# Allegro board RK_EVB7_RK3588_LP4XD200P232SD8_V11_20230111YWQ.brd (continued)
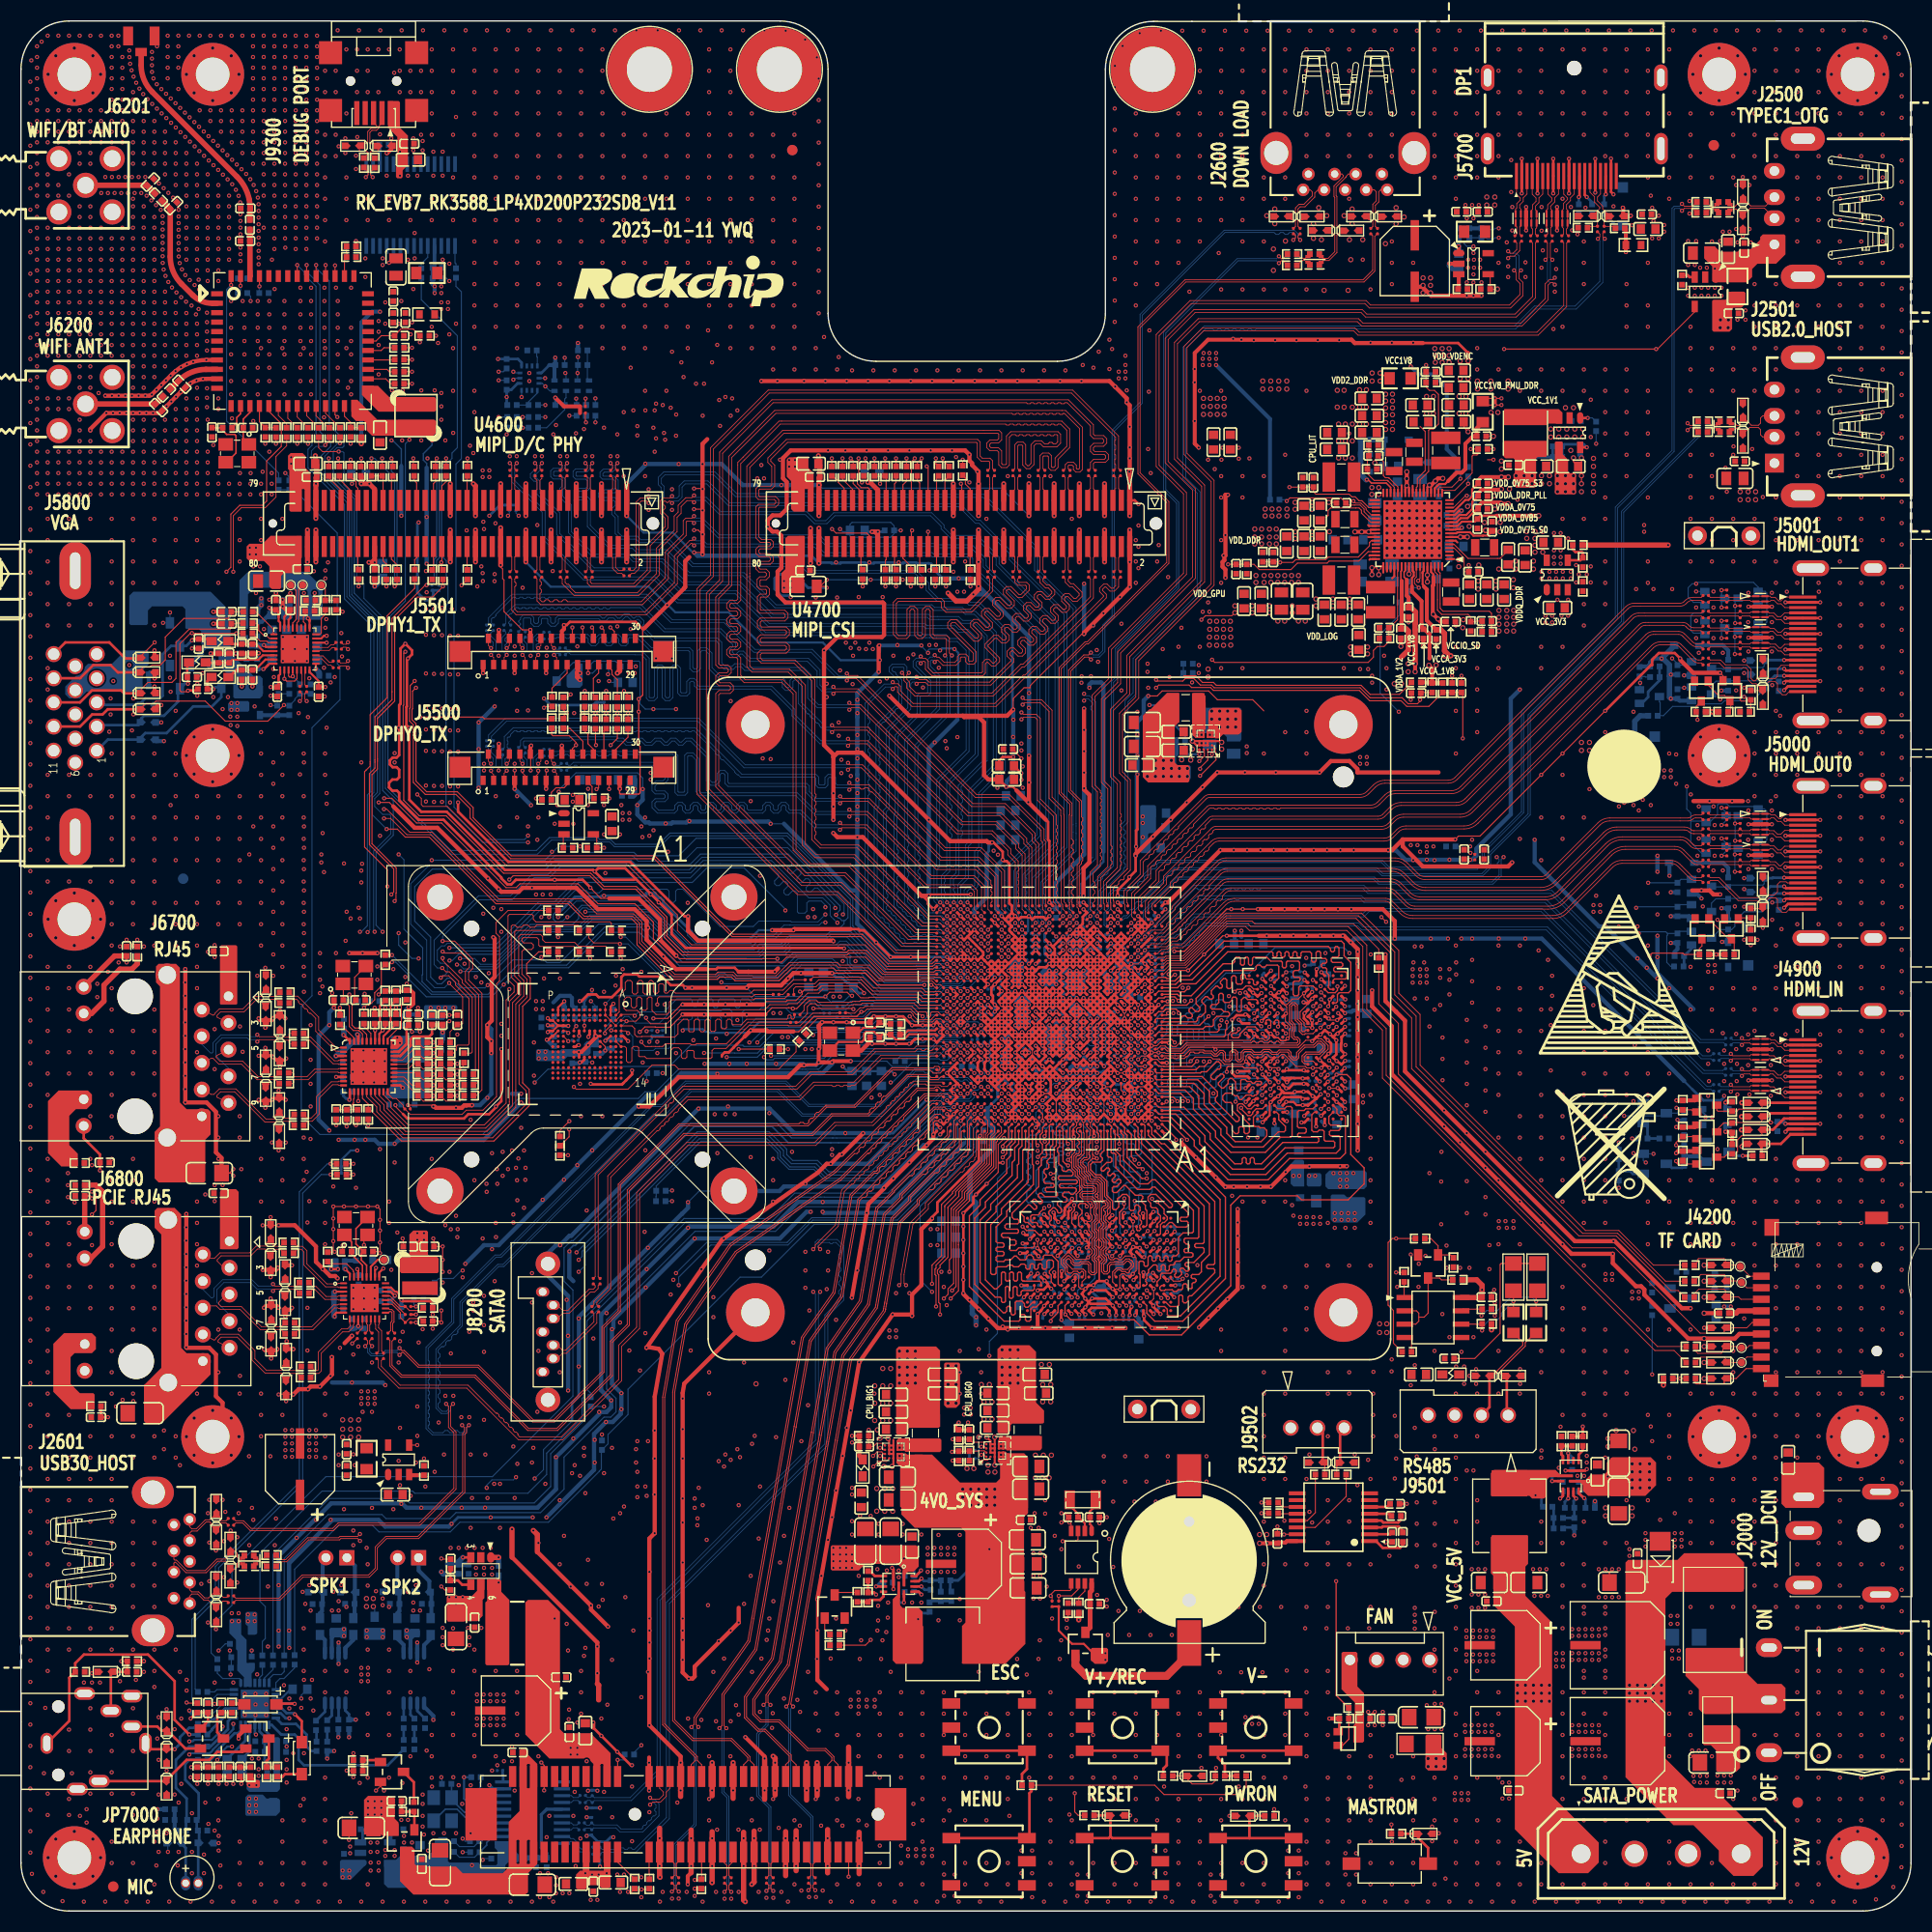
[diagram p0: board, top side]
## Routing (per net, layer and track width the routed paths; a pad name or vN(x,y) marks a point on that pad's centre or on a via; arc(x,y) is an arc through that point) (continued)
VDD_NPU_S0: length 74.2
  TOP w0.203: U2303.A4 112.22,110.61 v1(112.22,110.17)
  TOP w0.254: U1000.AC22 v1(95.34,88.25) ; U1000.AC22 v1(95.34,88.9) U1000.AD22 ; U1000.AC22 v1(94.69,88.9) ; U1000.AC22 v1(94.69,88.25) ; v1(95.34,88.25) U1000.AB22 v1(94.69,88.25) ; v1(95.34,88.25) 95.67,87.93 U1000.AB21 ; v1(94.69,88.25) U1000.AB23 ; v1(94.69,88.25) U1000.AC23 C1073.1 v1(94.69,88.9) ; v1(94.69,89.55) 94.37,89.88 U1000.AE23 ; v1(94.69,89.55) 94.37,89.23 U1000.AD23 ; v1(94.69,89.55) U1000.AD22 ; v1(94.69,89.55) 95.02,89.88 U1000.AE22 ; U1000.AD23 v1(94.04,89.55) U1000.AE23 ; U1000.AD23 v1(94.69,88.9) ; v1(94.69,88.9) U1000.AD22 ; U1000.AD22 v1(95.34,89.55) U1000.AE22 ; U1000.AE22 v1(95.34,90.2) ; U1000.AE22 v1(94.69,90.2) U1000.AE23
  L5-POWER2 w0.089: v1(94.04,89.55) 93.72,89.23 88.06,89.23 87.97,89.32 87.91,89.32
  L5-POWER2 w0.102: 87.91,89.32 87.27,89.32 84.23,92.37 84.23,109.13 86.89,111.8 88.29,111.8 88.67,111.42 94.89,111.42 95.04,111.57 95.51,111.57 95.66,111.42 96.42,111.42 99.09,114.09 101.63,114.09 102.39,114.85 v1(107.47,114.85)
  BOTTOM w0.203: C1062.1 95.21,106.16 ; v1(107.47,114.85) 107.48,114.84 107.99,114.84 110.86,111.96 C2323.2 R2306.2 111.1,110.17 v1(112.22,110.17)
  BOTTOM w0.508: C2323.1 R2306.1
  vias: v1(92.63,100.98) v1(93.04,100.6) v1(95.4,106.97) v2(107.28,108.05) v2(108.04,109.58) v2(108.04,108.82) v2(108.04,108.05) v2(108.8,109.58) v2(108.8,108.82) v2(108.8,108.05) v2(109.56,109.58) v2(109.56,108.82) v2(109.56,108.05) v2(110.32,108.82) v2(110.32,108.05) v2(111.09,108.82) v2(111.09,108.05)
VDD_VDENC_S0: length 124.1
  TOP w0.102: U2200.24 133.24,136.29 134.06,137.11 134.06,141.03 134.17,141.13 134.52,141.13 135,141.62 135,144.44 134.62,144.82 134.14,144.82 133.81,145.14 R2209.2 C2239.2 v1(133.81,147.23)
  TOP w0.254: v1(100.54,85) 100.87,85.33 U1000.V13 ; v1(100.54,85) U1000.U14 100.22,84.68 v1(100.54,84.35) U1000.T14 100.22,84.03 v1(100.54,83.7) U1000.R14 100.22,83.38 v1(100.54,83.05) ; v1(100.54,85) U1000.V14 ; U1000.V13 v1(100.54,85.65) ; U1000.V13 v1(101.19,85.65) ; v1(101.19,85.65) U1000.V12 ; v1(101.19,85.65) U1000.W13 ; U1000.W13 100.87,85.98 v1(100.54,85.65) ; U1000.W13 v1(100.54,86.3) 100.22,85.98 U1000.W14 ; v1(100.54,85.65) U1000.W14 ; v1(100.54,85.65) U1000.V14 ; U1000.V14 99.89,85.65 100.22,85.98 U1000.W14
  L4-GND2 w0.089: v1(100.54,83.05) 100.87,82.73 102.63,82.73 102.82,82.92 102.82,84.59 102.91,84.68 112.67,84.68 112.86,84.5 113.53,84.5 114.25,85.22
  L4-GND2 w0.102: 114.25,85.22 114.45,85.42 114.45,88.31 118.52,92.37 118.77,92.37 119.15,92.75 119.15,93 120.74,94.59 120.74,95.61 120.42,95.93 120.42,100.5 120.17,100.75 120.17,101.26 120.42,101.51 120.42,104.05 124.29,107.93 124.29,108.56 125.5,109.77 125.88,109.77 133.66,117.54 133.66,118.94 134.14,119.42 134.14,122.85 134.01,122.98 134.01,125.9 134.39,126.28 134.39,127.68 133.63,128.44 130.07,128.44 129.57,128.95 129.57,134.15 130.07,134.66 130.07,135.8 129.49,136.39 129.49,144.85 129.59,144.95 131.53,144.95 v1(133.81,147.23)
  BOTTOM w0.089: v1(101.19,85.65) 100.99,85.85 100.99,86.02
  BOTTOM w0.254: v1(100.54,86.3) v1(100.54,85.65) v1(100.54,85) ; v1(100.54,85) C1048.1 100.22,84.68 v1(100.54,84.35) 100.55,84.35 ; v1(100.54,85) C1049.1 100.88,84.68 100.55,84.35 ; v1(100.54,83.05) 100.87,83.38 C1050.1 100.55,83.7 v1(100.54,83.7) 100.87,84.03 C1052.1 100.55,84.35
  BOTTOM w0.381: 115.6,92.69 v1(115.6,93.36) ; v1(116.23,93.36) 116.23,92.76
  vias: v2(134.65,148.8) v2(134.69,148.14) v2(134.69,147.49) v2(135.35,148.8) v2(135.35,148.14) v2(135.35,147.49) v2(136.01,148.8) v2(136.01,148.14) v2(136.01,147.49)
VDDA_0V85_S0: length 18.8
  TOP w0.089: 100.87,92.48 U1000.AJ13 ; 100.22,92.48 U1000.AJ14
  TOP w0.203: C2269.1 138.46,132.32 137.23,132.32 136.83,131.92 136.7,131.92 136.69,131.91 U2200.10
  TOP w0.254: 140.53,132.88 139.02,132.88 C2269.1 ; v1(100.54,92.15) U1000.AH14 v1(99.89,92.15) 100.22,92.48 v1(100.54,92.15) ; v1(100.54,92.15) 100.87,92.48 v1(101.19,92.15) U1000.AH13 v1(100.54,92.15) ; U1000.M28 v1(91.44,81.1) U1000.L28 91.12,80.78 U1000.K28 v1(91.44,79.8)
  TOP w0.381: v2(144.55,132.88) v2(143.79,132.88) 140.53,132.88
  L3-POWER1 w0.104: v2(143.79,132.88) v2(144.55,132.88)
  L3-POWER1 w0.381: v1(91.44,81.1) v1(91.44,79.8)
  BOTTOM w0.254: v1(91.44,81.1) 91.72,80.83 C1818.1 ; C1810.1 90.81,80.43 v1(91.44,79.8) 91.44,79.8 C1806.1
  vias: v1(82.7,55.29) v1(82.7,54.65) v1(83.34,55.29) v1(83.34,54.65) v1(112.55,123.74) v1(113.18,123.74) v1(140.74,65.7) v1(140.74,65.06) v1(141.38,65.7) v1(141.5,65.06) v1(142.14,65.7) v1(142.14,65.06)
VDDA_1V2_S0: length 11.6
  TOP w0.152: 131.5,126.67 131.42,126.75 131.42,127.59 131.49,127.66 U2200.57
  TOP w0.254: U1000.AH20 v1(96.64,92.15) U1000.AH19
  TOP w0.381: 131.5,126.67 131.5,124.72 131.49,124.71 131.49,122.81 131.47,122.79 131.47,122.16 C2255.1
  TOP w0.508: 131.47,119.42 132.13,120.08 132.13,121.9 131.93,122.11 C2255.1
  L3-POWER1 w0.254: v1(96.64,92.15) 96.64,92.23
  BOTTOM w0.254: C1603.1 96.2,92.48 96.51,92.17 96.6,92.17 96.62,92.15 v1(96.64,92.15) 96.77,92.15 C1611.1
  vias: v1(95.28,111.19) v1(95.28,110.53) v2(130.78,116.88) v2(131.47,116.9)
VDDQ_DDR: length 51.8
  TOP w0.254: U3801.W5 v1(97.43,63.15) ; v1(126.13,86.82) 126.07,86.82 U3800.D12 ; U3801.AA5 v1(96.9,62.37) ; U3801.D1 107.55,66.29 v1(107.85,66.59) ; U3800.W8 122.12,77.38 v1(122.07,77.33) 121.89,77.51 120.3,77.51 U3800.W5 v1(119.84,77.05) ; v1(118.17,75.65) 118.17,75.68 U3800.AA3 ; U3801.B5 v1(109.17,63.1) ; U3800.D8 v1(122.96,87.52) ; U3801.B8 v1(109.17,60.05) ; U3801.D12 v1(107.87,56.85) ; U3800.B8 122.49,88.43 122.25,88.67 v1(122.23,88.67) ; U3801.D8 v1(107.87,60.05) ; U3800.B5 v1(120.55,88.05) ; U3801.W12 v1(97.47,56.85) ; v1(118.21,78.35) 118.24,78.35 U3800.U3 ; U3801.AA10 v1(96.15,58.43) ; U3801.U3 99.1,64.4 v1(98.81,64.69) ; U3801.F10 v1(105.94,58.47) ; v1(124.51,85.51) 124.49,85.51 U3800.F10 ; v1(118.21,85.47) U3800.F3 ; U3801.B10 109.22,58.4 v1(109.22,58.38) ; U3801.AA3 96.12,64 v1(96.09,64) ; U3800.W12 v1(126.09,77.05) ; U3800.B10 123.87,88.73 v1(123.84,88.73) ; v1(98.83,58.46) 99.1,58.73 U3801.U10 ; v1(106.58,64.05) U3801.F3 ; U3801.W8 v1(97.5,60.68) ; U3801.B3 v1(109.14,64.67) ; U3801.AA8 v1(96.83,60.71) ; U3800.AA10 v1(123.82,75.73) ; U3800.W1 v1(116.64,77.05) ; U3800.D1 v1(116.62,87.48) ; U3800.AA5 v1(120.57,76.08) ; v1(124.47,78.98) U3800.U10 ; U3801.D5 v1(107.87,63.1) ; v1(97.44,66.34) U3801.W1 ; U3800.AA8 v1(122.21,75.72) ; U3800.D5 v1(120.49,86.8) ; U3800.B3 v1(118.22,88.77)
  BOTTOM w0.254: v1(122.07,77.33) 122.12,77.38 122.56,77.38 C3836.1 ; C3834.1 116.74,87.35 v1(116.62,87.48) ; C3837.1 126.09,86.78 v1(126.13,86.82) ; v1(123.82,75.73) 123.22,76.33 C3832.1 ; v1(109.22,58.38) 109.22,58.43 109.15,58.5 C3875.1 ; C3887.1 107.4,60.05 v1(107.87,60.05) ; v1(109.14,64.67) 109.14,65.08 C3878.1 ; v1(118.22,88.77) 118.22,89.16 C3835.1 ; C3831.1 118.09,75.73 v1(118.17,75.65) ; C3838.1 124.78,79.29 v1(124.47,78.98) ; C3876.1 97.32,56.48 97.32,56.71 v1(97.47,56.85) ; C3839.1 116.4,77.34 116.4,77.3 v1(116.64,77.05) ; v1(98.83,58.46) 98.88,58.51 C3881.1 ; C3842.1 120.8,88.3 v1(120.55,88.05) ; v1(118.21,78.35) 118.21,78.32 118,78.12 117.97,78.12 C3833.1 ; C3880.1 97.69,62.87 97.43,63.14 v1(97.43,63.15) ; R3818.1 C3872.1 108.93,62.86 v1(109.17,63.1) ; C3882.1 108.25,66.59 v1(107.85,66.59) ; C3886.1 97.09,66.34 v1(97.44,66.34) ; v1(106.58,64.05) 106.71,64.18 C3884.1 ; C3885.1 96.32,62.63 96.65,62.63 v1(96.9,62.37) 97.63,61.65 C3871.1 97.63,60.81 v1(97.5,60.68) 97.81,60.36 C3879.1 ; C3877.1 96.94,60.12 96.94,60.61 v1(96.83,60.71) ; C3841.1 122.98,87.9 122.98,87.54 v1(122.96,87.52) ; v1(107.87,56.85) 107.87,56.96 C3883.1 ; C3870.1 96.17,57.96 96.17,58.4 v1(96.15,58.43) ; v1(96.09,64) 96.16,64.07 C3873.1 ; C3874.1 106.09,58.31 v1(105.94,58.47) ; C3827.1 124.26,88.31 v1(123.84,88.73) ; C3840.1 122.31,75.83 v1(122.21,75.72) ; C3825.1 120.73,75.92 v1(120.57,76.08) 120.21,76.45 C3828.1 119.78,76.99 v1(119.84,77.05) ; C3869.1 108.67,60.55 v1(109.17,60.05) 109.36,60.24 R3819.1 ; v1(126.09,77.05) 125.35,76.31 C3826.1 ; C3829.1 120.35,86.66 v1(120.49,86.8) 120.58,86.72 C3824.1
  BOTTOM w0.305: R3809.1 R3810.1 121.95,88.94 v1(122.23,88.67) 121.87,88.3 C3830.1 C3842.1
  vias: v1(125.12,66.46) v1(125.12,65.83) v1(125.76,66.46) v1(125.76,65.83) v1(126.39,66.46) v1(126.39,65.83) v1(127.03,66.46) v1(127.03,65.83)
VDDQ_DDR_CK_S0: length 11.4
  TOP w0.254: U1000.M13 v1(100.54,81.75) ; U1000.L10 v1(103.14,80.45)
  L4-GND2 w0.086: 102.82,81.45 102.82,82.04 102.77,82.08 102.63,82.08 102.63,82.08 102.1,82.08 102.17,82.02 102.17,81.45 ; 102.82,81.45 102.82,80.78 ; 102.82,81.45 102.8,81.43 102.18,81.43 102.17,81.45 ; 101.5,82.21 101.52,82.19 101.52,81.45 ; 102.82,80.78 102.36,80.78 ; 102.82,80.78 102.9,80.69 ; 102.17,81.45 102.17,80.97 102.36,80.78 ; 102.17,81.45 102.15,81.43 101.54,81.43 101.52,81.45 ; 102.36,80.78 101.71,80.78 101.52,80.97 101.52,81.45
  L4-GND2 w0.254: v1(103.14,80.45) 102.9,80.69 ; 102.1,82.08 101.97,82.21 101,82.21 v1(100.54,81.75)
  BOTTOM w0.254: v1(103.14,80.45) 103.47,80.78 C1206.1 ; C1213.1 100.27,82.03 v1(100.54,81.75)
  vias: v1(121.18,70.02) v1(121.74,70.02)
VDDQ_DDR_CKE_S3: length 18.7
  TOP w0.254: U1000.H13 v1(100.54,78.5) ; U1000.N8 v1(104.44,81.75)
  L6-S2 w0.086: 102.13,79.48 102.13,79.32 102.17,79.29 102.17,79.02 102.16,79.01 102.26,78.91 102.26,78.83 ; 102.13,79.48 102.96,79.48 104.12,80.64 104.12,81.43 v1(104.44,81.75) ; 102.13,79.48 102.13,79.64 102.17,79.67 102.17,79.7 102.17,79.71 102.17,80.09 102.13,80.13 ; 102.13,79.48 101.71,79.48 ; 100.87,79.42 100.87,78.83 v1(100.54,78.5) 101.09,78.5 101.52,78.93 ; 100.87,79.42 100.87,79.93 101.06,80.13 101.5,80.13 ; 100.87,79.42 100.93,79.48 101.71,79.48 ; 101.5,80.13 101.52,80.11 101.52,79.29 ; 101.5,80.13 102.13,80.13 ; 103.02,79.03 102.92,78.93 102.72,78.93 102.63,78.83 102.26,78.83 ; 102.26,78.83 101.71,78.83 101.61,78.93 101.52,78.93 ; 102.13,80.13 102.73,80.13 102.82,80.21 102.82,80.73 102.9,80.81 ; 101.52,79.29 101.71,79.48 ; 101.52,79.29 101.52,78.93
  L6-S2 w0.254: v1(104.44,81.75) 103.84,81.75 102.9,80.81
  BOTTOM w0.254: v1(100.54,78.5) 100.36,78.32 C1219.1 ; C1216.1 104.1,81.47 104.15,81.47 v1(104.44,81.75)
  vias: v1(122.68,70.02) v1(123.25,70.02)
VDDQ_DDR_S0: length 35.8
  TOP w0.102: U2200.67 134.99,127.58 135.15,127.42 135.15,124.07 135.44,123.79 139.85,123.79 140.05,123.59 C2233.1 R2207.1
  TOP w0.254: v1(102.49,79.8) 102.17,80.13 U1000.K11 v1(101.84,79.8) 101.52,80.13 U1000.K12 v1(101.19,79.8) 100.87,80.13 U1000.K13 v1(100.54,79.8) 100.22,80.13 U1000.K14 v1(99.89,79.8) 99.57,80.13 U1000.K15 ; v1(103.14,84.35) 102.82,84.03 U1000.T10 v1(103.14,83.7) 102.82,83.38 U1000.R10 v1(103.14,83.05) 102.82,82.73 U1000.P10 v1(103.14,82.4) 102.82,82.08 U1000.N10 v1(103.14,81.75) U1000.M10
  L4-GND2 w0.203: v1(133.25,89.69) v1(132.54,89.69)
  BOTTOM w0.089: v1(99.89,79.8) 99.89,79.79 ; v1(100.54,79.8) 100.54,79.79 ; v1(101.19,79.8) 101.19,79.79 ; C1203.1 99.11,79.48 98.92,79.29 98.92,79.02 98.73,78.83 98.37,78.83 97.82,78.27 97.82,78.01 ; v1(101.84,79.8) 101.84,79.79
  BOTTOM w0.203: v1(132.54,89.69) 132.55,89.69 132.55,89.77
  BOTTOM w0.254: v1(103.14,83.7) 103.47,84.03 C1209.1 v1(103.14,84.35) 103.34,84.56 103.37,84.56 C1200.1 103.7,85.22 103.53,85.38 R1200.2 ; C1203.1 99.57,79.49 v1(99.89,79.8) ; 103.14,83.05 C1211.1 103.47,82.73 v1(103.14,82.4) 103.14,82.4 C1210.1 103.14,81.76 ; v1(103.14,81.75) 102.88,81.49 C1212.1 ; v1(103.14,83.05) 103.47,83.38 C1202.1 103.14,83.7 ; 99.89,79.79 99.89,79.79 C1204.1 100.54,79.79 100.54,79.79 C1205.1 101.19,79.79 101.19,79.79 C1208.1 101.84,79.79 101.84,79.79 C1201.1 102.17,79.48 v1(102.49,79.8) 102.57,79.89 C1207.1 103.15,79.76 103.49,79.42 103.58,79.42 R1202.2 R1201.2
  BOTTOM w0.381: v1(103.14,83.05) 103.14,83.05 ; v1(103.14,83.7) 103.14,83.7 ; v1(103.14,81.75) 103.14,81.76
  vias: v1(121.82,66.08) v1(121.82,65.45) v1(122.45,66.08) v1(122.45,65.45) v1(123.09,66.08) v1(123.09,65.45) v1(123.72,66.08) v1(123.72,65.45) v1(132.54,89.05) v1(132.54,88.42) v1(133.25,89.05) v1(133.25,88.42) v1(133.87,89.69) v1(133.87,89.05) v1(133.87,88.42) v2(140.76,123.87) v2(140.76,123.21) v2(140.76,122.56) v2(140.76,121.9) v2(141.5,123.87) v2(141.5,123.21) v2(141.5,122.56) v2(141.5,121.9) v2(142.16,123.87) v2(142.16,123.21) v2(142.16,122.56) v2(142.16,121.9)
32KOUT_WIFI: length 202.8
  TOP w0.104: R2400.2 99.72,27.85 v1(99.59,27.73) ; v1(37.99,149.4) R6223.1 37.35,150.66 36.17,150.66 35.97,150.46 35.97,150.42 C6213.1 34.32,150.03 33.81,149.52 U6200.31
  L3-POWER1 w0.104: v1(37.99,149.4) 37.62,149.77 36.73,149.77 34.44,147.49 34.44,143.17 31.78,140.5 31.78,139.49 32.03,139.23 32.03,137.58 31.01,136.57 31.01,129.27 33.17,127.11 33.17,111.41 33.7,110.88 33.7,108.51 32.92,107.72 32.92,104.99 32.92,104.67 31.14,102.9 31.14,100.69 29.36,98.91 29.36,92.4 30.38,91.39 30.38,91.07 30.38,91.07 30.38,88.46 30.38,87.26 31.01,86.62 31.01,85.26 29.52,83.76 29.52,77.48 30.71,76.29 32.21,76.29 32.94,76.29 33.81,75.43 33.81,68.37 33.55,68.11 33.55,64.56 33.94,64.18 34.28,64.18 37.17,61.29 37.2,61.29 37.36,61.13 37.36,58.36 36.93,57.93 36.93,57.91 36.83,57.81 36.83,55.82 37.36,55.29 37.36,50.84 35.46,48.94 v1(35.46,38.27)
  L6-S2 w0.104: v1(99.59,27.73) 99.17,27.3 87.49,27.3 87.13,26.95 82.56,26.95 82.42,27.09 58.7,27.09 50.83,34.97 50.83,36.08 49.01,37.89 35.84,37.89 v1(35.46,38.27)
ALPS_INT: length 5.1
  BOTTOM w0.104: R9010.1 50.06,141.26 51.78,142.98 R9004.1 51.78,144 51.91,144.12 CON9000.7
BIG/NPU_EN: length 162.9
  TOP w0.104: v1(112.29,108.78) 112.29,108.88 113.03,109.61 U2303.A2 ; U2301.A2 82.17,43.53 81.97,43.73 81.53,43.73 v1(81.15,43.35) ; v1(88.67,43.73) 88.74,43.8 R2302.2 R2303.1 91.15,43.8 91.19,43.83 91.74,43.83 91.91,43.66 U2300.A2
  L3-POWER1 w0.104: v1(53.62,44.11) 53.62,50.71 58,55.1 58,76.43 60.23,78.66 60.23,81.86 60.98,82.62 60.98,85.31 60.07,86.23 60.07,90.37 59.22,91.22 59.22,101.14 60.22,102.15 60.22,102.91 v1(60.23,102.93)
  L6-S2 w0.104: v1(88.67,43.73) 87.91,43.73 87.91,43.73 81.53,43.73 v1(81.15,43.35) 80.62,43.88 73.97,43.88 73.74,44.11 69.37,44.11 68.22,45.25 56.54,45.25 55.4,44.11 v1(53.62,44.11) ; v1(60.23,102.93) 60.22,102.93 60.22,102.91 75.41,102.91 77.44,100.88 90.64,100.88 92.73,102.97 94.25,102.97 98.9,107.62 111.58,107.62 111.91,107.96 111.91,108.4 v1(112.29,108.78)
BL_EN_LCD: length 2.8
  TOP w0.104: R5514.1 53.7,112.36 54,112.05 54,111.17 54.51,110.65 J5500.22
BOOT_SARADC_IN0: length 175.3
  TOP w0.089: v1(99.24,94.75) U1000.AM16
  TOP w0.104: v1(137.31,111.67) 137.31,115.92 C1510.1 R1509.1 R1511.2 134.08,114.72 131.98,114.72 131.44,115.26 128.45,115.26 127.46,116.25 113.56,116.25 113.29,116.52 111.48,116.52 111.25,116.75 108.36,116.75 v1(108.1,116.5) ; v1(130.51,8.24) R9206.1
  L3-POWER1 w0.089: 99.24,96.28 v1(99.24,94.75)
  L3-POWER1 w0.104: v1(137.31,111.67) 137.57,111.42 137.57,104.31 136.2,102.94 136.2,101.9 136.42,101.67 136.42,93.77 134.65,91.99 134.65,86.97 133.63,85.95 133.63,83.99 133.88,83.73 133.88,70.72 133.63,70.47 133.63,70.02 134.14,69.51 134.14,54.65 131.68,52.19 131.68,50.67 129.94,48.93 129.94,46.83 129.94,36.24 129.44,35.74 129.44,33.7 130.07,33.06 130.07,20.61 131.09,19.6 131.09,8.81 v1(130.51,8.24) ; 99.24,96.28 99.24,114.95 101,116.71 v1(101,116.98)
  L6-S2 w0.104: v1(101,116.98) 101.21,116.98 106.77,116.98 106.87,116.88 107.72,116.88 v1(108.1,116.5)
BT_REG_ON_H: length 130.3
  TOP w0.089: U1000.T29 90.47,84.03 v1(90.79,84.35)
  TOP w0.104: R6203.1 v1(31.9,159.04)
  L3-POWER1 w0.089: 86.42,86.95 88.04,85.33 88.98,85.33 89.17,85.14 89.17,84.87 89.36,84.68 90.47,84.68 v1(90.79,84.35)
  L3-POWER1 w0.102: 86.42,86.95 86.3,87.07
  L3-POWER1 w0.104: 86.3,87.07 85.51,87.07 83.81,88.76 77.14,88.76 73.87,92.04 73.37,92.04 72.43,92.97 72.43,94.16 72,94.59 71.86,94.73 71.86,101.83 70.15,103.54 70.15,105.67 69.62,106.21 67.85,106.21 67.11,106.95 67.11,140.3 66.07,141.34 66.07,141.9 66.79,142.62 66.79,143.25 67.08,143.55 67.08,144.19 v1(67.09,144.19) ; v1(31.14,145.07) 31.39,145.07 31.9,145.58 v1(31.9,159.04)
  L6-S2 w0.104: v1(31.14,145.07) 34.44,145.07 35.59,146.22 42.7,146.22 43.59,145.33 48.92,145.33 49.56,144.69 50.06,144.69 50.32,144.95 58.32,144.95 58.95,144.31 66.96,144.31 67.08,144.19 v1(67.09,144.19)
BT_REG_ON_S: length 2.9
  TOP w0.104: R6203.2 R6205.1 30.81,157.33 U6200.38
BT_WAKE_HOST_H: length 130.6
  TOP w0.089: U1000.P33 87.87,82.73 v1(88.19,82.4)
  BOTTOM w0.089: 86.42,81.62 86.94,81.62 87.72,82.4 v1(88.19,82.4)
  BOTTOM w0.104: 86.42,81.62 77.42,81.62 75.97,80.18 75.86,80.18 75.86,80.18 74.73,80.18 74.42,80.18 74.41,80.18 62.64,80.18 60.48,78.02 59.43,78.02 58.79,77.38 47.79,77.38 47.79,77.38 47.4,77.38 43.97,73.95 29.52,73.95 29.52,73.95 29.2,73.95 29.2,73.95 28.47,73.95 26.7,75.73 26.7,86.15 27.71,87.16 27.71,112.69 30.38,115.36 30.38,118.53 30.12,118.79 30.12,131.23 26,135.35 R1132.1 R6230.2
CLKREQB: length 1.6
  TOP w0.089: U6800.12 32.52,55.51 R6807.1
CONFIG0: length 2.7
  TOP w0.254: J5700.13 148.43,163.3 v1(148.36,163.24)
  BOTTOM w0.254: R5701.1 v1(148.36,163.24)
CONFIG1: length 3
  TOP w0.254: v1(149.12,163.24) 148.93,163.43 J5700.14
  BOTTOM w0.254: v1(149.12,163.24) 149.63,162.73 R5702.1
CPU_BIG0_VSEL: length 101.1
  TOP w0.089: U1000.R31 89.17,83.38 v1(88.84,83.7)
  TOP w0.104: v1(91.47,43.45) 91.72,43.45 91.91,43.26 U2300.A1
  L3-POWER1 w0.104: v1(66.19,83.1) 66.45,82.84 66.45,80.89 61.25,75.69 61.25,69.39 60.93,69.06 60.93,60.42 60.69,60.18 60.69,49.71 58.7,47.72 v1(58.7,44.74)
  L6-S2 w0.089: v1(88.84,83.7) 88.52,83.38 88.06,83.38 87.87,83.57 87.87,83.84 87.68,84.03 86.43,84.03 86.42,84.01
  L6-S2 w0.104: v1(91.47,43.45) 91.37,43.35 82.45,43.35 81.81,42.71 77.82,42.71 77.12,43.42 73.78,43.42 73.6,43.6 69.17,43.6 68.02,44.74 60.38,44.74 60,44.36 59.08,44.36 v1(58.7,44.74) ; v1(66.19,83.1) 68.73,83.1 69.11,83.48 71.4,83.48 71.99,84.07 73.56,84.07 73.99,84.5 75.58,84.5 76.04,84.03 79.34,84.03 79.48,84.17 84.45,84.17 84.64,83.99 84.69,83.99 84.7,83.97 86.03,83.97 86.07,84.01 86.42,84.01
CPU_BIG1_VSEL: length 94.1
  TOP w0.089: v1(90.79,85.65) 91.12,85.98 U1000.W28
  TOP w0.104: U2301.A1 82.16,43.13 81.94,43.35 v1(81.81,43.35)
  L3-POWER1 w0.104: v1(68.22,84.85) 68.22,82.84 68.73,82.34 68.73,81.34 68.58,81.19 68.58,75.94 67.06,74.42 63.61,74.42 61.97,72.78 61.97,69.12 61.62,68.78 61.62,60.71 61.62,60.08 61.38,59.84 61.38,49.42 61.37,49.41 61.37,49.39 59.72,47.74 v1(59.72,44.74)
  L6-S2 w0.089: 86.42,85.58 87.16,85.58 88.06,84.68 88.98,84.68 89.17,84.87 89.17,85.14 89.36,85.33 89.63,85.33 90.47,85.33 v1(90.79,85.65)
  L6-S2 w0.104: v1(81.81,43.35) 81.43,42.97 78.42,42.97 78.41,42.96 78.09,42.96 78.09,42.97 77.9,42.97 77.21,43.65 73.87,43.65 73.69,43.83 69.27,43.83 68.1,45 59.97,45 v1(59.72,44.74) ; 86.42,85.58 81.07,85.58 80.74,85.25 72.76,85.25 72.36,84.85 v1(68.22,84.85)
CSI_HSYNC: length 3.4
  TOP w0.104: U4700.59 82.39,136.58 R4741.2 R4740.2
DDR_CH0_A0_A: length 21.4
  TOP w0.127: U3800.H2 117.9,84.39 117.99,84.39 118.12,84.27 v1(118.12,84.26) ; U1000.T7 v1(105.09,83.7)
  BOTTOM w0.089: v1(105.09,83.7) 105.42,83.38 108,83.38 108.03,83.4
  BOTTOM w0.127: 108.03,83.4 108.61,83.99 108.61,84.62 108.99,85 110.52,85 111.02,85.51 111.66,85.51 112.93,86.78 113.3,86.78 113.41,86.67 113.41,86.13 113.52,86.02 113.68,86.02 113.79,86.13 113.79,86.67 113.9,86.78 114.45,86.78 114.71,86.53 114.71,85.77 113.69,84.75 113.69,84.11 113.84,83.96 114.83,83.96 115.3,84.43 117.94,84.43 v1(118.12,84.26)
DDR_CH0_A0_B: length 21.1
  TOP w0.127: v1(114.83,79.92) 114.83,80.3 114.96,80.43 116.36,80.43 116.48,80.3 117.63,80.3 117.77,80.16 U3800.R2 ; U1000.M8 v1(104.44,81.1)
  BOTTOM w0.089: v1(104.44,81.1) 104.77,81.43 105.2,81.43 105.2,81.43 105.23,81.43 105.42,81.24 105.42,80.97 105.61,80.78 105.88,80.78 106.45,80.2 106.45,79.94 106.91,79.48 107.21,79.48 107.37,79.33 107.37,78.75
  BOTTOM w0.127: 107.37,78.75 108.1,78.02 108.1,77.73 108.19,77.64 109.35,77.64 109.48,77.51 111.4,77.51 111.53,77.38 111.53,77 111.66,76.88 113.64,76.88 113.76,77 113.76,77.36 113.64,77.49 113.33,77.49 113.18,77.64 113.18,78.27 113.31,78.4 113.69,78.4 113.82,78.53 113.82,79.42 113.94,79.54 114.2,79.54 114.58,79.92 v1(114.83,79.92)
DDR_CH0_A1_A: length 20.7
  TOP w0.127: U3800.J2 117.77,83.97 117.54,84.2 116.78,84.2 116.1,83.53 116.1,83.35 115.92,83.17 115.42,83.17 115.29,83.3 115.29,83.48 115.42,83.61 115.72,83.61 115.98,83.86 v1(115.98,83.99) ; U1000.T8 v1(104.44,83.7)
  L6-S2 w0.089: v1(104.44,83.7) 104.77,84.03 107.83,84.03 107.87,83.99 107.89,83.99 107.98,83.9 108.15,83.9
  L6-S2 w0.127: 108.15,83.9 108.47,83.58 108.94,83.58 109.22,83.86 109.6,83.86 109.88,83.58 110.26,83.58 110.54,83.86 110.92,83.86 111.2,83.58 111.58,83.58 111.86,83.86 112.24,83.86 112.52,83.58 112.9,83.58 113.18,83.86 113.56,83.86 113.84,83.58 116.15,83.58 116.51,83.93 117.04,83.93 117.17,84.06 117.17,84.29 116.99,84.47 116.58,84.47 116.1,83.99 v1(115.98,83.99)
DDR_CH0_A1_B: length 20.6
  TOP w0.127: U1000.M5 v1(105.74,81.1) ; v1(118.16,80.21) 118.15,80.22 118.15,80.43 118.02,80.56 117.84,80.56 U3800.P2
  BOTTOM w0.089: 107.9,80.13 106.82,80.13 105.85,81.1 v1(105.74,81.1)
  BOTTOM w0.127: 107.9,80.13 108.17,79.86 108.17,78.46 108.61,78.02 111.44,78.02 111.55,78.13 111.55,78.67 111.66,78.78 111.91,78.78 112.04,78.65 112.04,77.51 112.17,77.38 112.55,77.38 112.67,77.51 112.67,78.78 112.8,78.91 113.18,78.91 113.31,79.03 113.31,79.67 114.15,80.51 116.23,80.51 116.56,80.18 117.57,80.18 117.7,80.3 117.7,80.43 117.83,80.56 118.01,80.56 118.14,80.43 118.14,80.23 v1(118.16,80.21)
DDR_CH0_A2_A: length 19.6
  TOP w0.127: v1(107.04,82.4) 106.72,82.73 U1000.P4 ; v1(123.72,84.86) 123.39,84.53 U3800.H9
  L6-S2 w0.089: 108.46,82.73 107.37,82.73 v1(107.04,82.4)
  L6-S2 w0.127: v1(123.72,84.86) 123.33,84.47 122.81,84.47 122.33,83.99 122.33,83.48 121.21,82.36 116.56,82.36 116.48,82.44 111.63,82.44 111.15,81.96 109.23,81.96 108.46,82.73
DDR_CH0_A2_B: length 19.8
  TOP w0.127: U1000.N5 v1(106.39,81.75) ; U3800.R9 v1(123.04,79.65)
  L6-S2 w0.089: 107.43,81.23 107.23,81.43 106.72,81.43 v1(106.39,81.75)
  L6-S2 w0.127: 107.43,81.23 109.12,79.54 116.48,79.54 116.74,79.29 121.44,79.29 121.82,79.67 122.45,79.67 122.58,79.54 122.58,79.16 122.72,79.03 122.95,79.03 123.04,79.12 v1(123.04,79.65)
DDR_CH0_A3_A: length 20
  TOP w0.127: U3800.H10 v1(123.76,84.13) ; U1000.P5 v1(106.39,82.4)
  L6-S2 w0.089: v1(106.39,82.4) 106.71,82.08 106.9,82.08 106.91,82.08 107.18,82.08 107.18,82.08 107.55,82.08 107.56,82.08 107.83,82.08 107.83,82.08 108.56,82.08
  L6-S2 w0.127: 108.56,82.08 109.32,81.32 111.15,81.32 111.51,81.68 115.32,81.68 115.6,81.96 121.44,81.96 122.71,83.23 122.86,83.23 v1(123.76,84.13)
DDR_CH0_A3_B: length 20.2
  TOP w0.127: U3800.R10 123.83,79.64 v1(123.8,79.64) ; v1(107.04,81.75) 106.72,82.08 U1000.N4
  L6-S2 w0.089: 107.56,81.43 107.23,81.75 v1(107.04,81.75)
  L6-S2 w0.127: v1(123.8,79.64) 123.77,79.64 123.37,80.04 123.37,80.43 123.35,80.46 123.17,80.64 122.02,80.64 121.18,79.8 120.44,79.8 120.11,80.13 120.11,80.36 119.91,80.56 117.88,80.56 117.37,80.05 116.36,80.05 115.98,80.43 109.64,80.43 109.54,80.33 108.66,80.33 107.56,81.43
DDR_CH0_A4_A: length 19.3
  TOP w0.127: v1(114.83,84.65) 114.83,83.99 114.71,83.86 114.71,83.4 114.58,83.28 110.49,83.28 110.39,83.38 108.67,83.38 U1000.R1 ; v1(124.53,84.2) 124.87,84.53 U3800.H11
  BOTTOM w0.127: v1(124.53,84.2) 124.26,84.47 120.83,84.47 120.68,84.62 119.2,84.62 118.71,85.12 118.05,85.12 117.86,85.31 117.86,85.66 117.68,85.84 117.2,85.84 117.14,85.79 115.62,85.79 114.83,85 v1(114.83,84.65)
DDR_CH0_A4_B: length 18
  TOP w0.127: U3800.R11 v1(125.31,80.32) ; U1000.K1 111.91,80.13 112.22,80.43 112.7,80.43 113.18,80.91 v1(113.2,80.91)
  L6-S2 w0.127: v1(113.2,80.91) 116.17,80.91 116.54,81.28 120.72,81.28 120.93,81.07 123.17,81.07 123.58,80.66 124.97,80.66 v1(125.31,80.32)
DDR_CH0_A5_A: length 20
  TOP w0.127: v1(109.88,82.72) 109.55,83.04 108.33,83.04 108.02,82.73 U1000.P2 ; U3800.J11 v1(125.29,84.2)
  L6-S2 w0.127: v1(109.88,82.72) 110.19,82.4 110.84,82.4 111.25,82.82 116.99,82.82 117.09,82.72 120.73,82.72 121.66,83.65 121.66,84.01 122.86,85.21 123.64,85.21 123.64,85.21 123.85,85.21 124.06,85 124.06,84.94 124.41,84.6 124.9,84.6 v1(125.29,84.2)
DDR_CH0_A5_B: length 18
  TOP w0.127: v1(112.01,80.94) 111.5,80.43 108.86,80.43 108.84,80.45 108.34,80.45 U1000.L2 ; U3800.P11 v1(124.59,81)
  L6-S2 w0.127: v1(112.01,80.94) 112.37,81.3 115.57,81.3 115.85,81.57 123.85,81.57 124.42,81 v1(124.59,81)
DDR_CH0_CLKN_A: length 22.6
  TOP w0.102: U3800.J9 123.04,83.56 122.31,83.56 122.23,83.48 122.04,83.48 121.74,83.77 121.74,84.46 121.36,84.84 121.36,86.2 121.26,86.3 121.12,86.3 121.01,86.19 121.01,84.76 121.33,84.43 121.33,83.85 121.23,83.74 121.23,83.32 121.33,83.21 121.59,83.21 121.81,82.99 121.81,82.68 121.59,82.46 111.05,82.46 110.49,81.9 109.17,81.9 108.92,82.14 108.73,82.14 U1000.N1
DDR_CH0_CLKN_B: length 25.3
  TOP w0.102: U3800.P9 123.06,80.94 122.26,80.94 122.21,80.99 122.21,81.35 122.45,81.6 123.7,81.6 124.2,82.1 124.2,82.44 123.8,82.84 123.46,82.84 123.1,82.47 122.21,82.47 121.49,81.75 121.49,81.35 121.39,81.25 121.2,81.25 120.95,81.51 120.95,81.78 120.73,82 119.83,82 119.61,81.78 119.2,81.78 118.93,82.05 118.33,82.05 118.06,81.78 117.46,81.78 117.2,82.05 116.47,82.05 116.2,81.78 116.2,81.18 116.1,81.07 115.97,81.07 115.88,81.16 115.88,81.79 115.66,82.02 115.35,82.02 115.13,81.79 115.13,81.19 115.02,81.09 114.8,81.09 114.7,81.19 114.7,81.74 114.48,81.96 114.17,81.96 113.83,81.62 113.68,81.62 113.39,81.9 112.73,81.9 112.63,82 111.32,82 110.78,81.45 108.69,81.45 U1000.M1